# Altium PCB DL4-1BA.PcbDoc (part 3 of 5)
Units mm, origin at the board's own origin, x right, y up, seen from the top; angles counter-clockwise.
Board outline 200 x 80 mm, 4 copper layers (Top Layer, Mid 1 (GND), Mid 2 (PWR), Bottom Layer), stack 1.586 mm thick; 466 components, 326 nets, 1491 pads, 494 vias.
Unrouted connection lines stored in the file: 2.
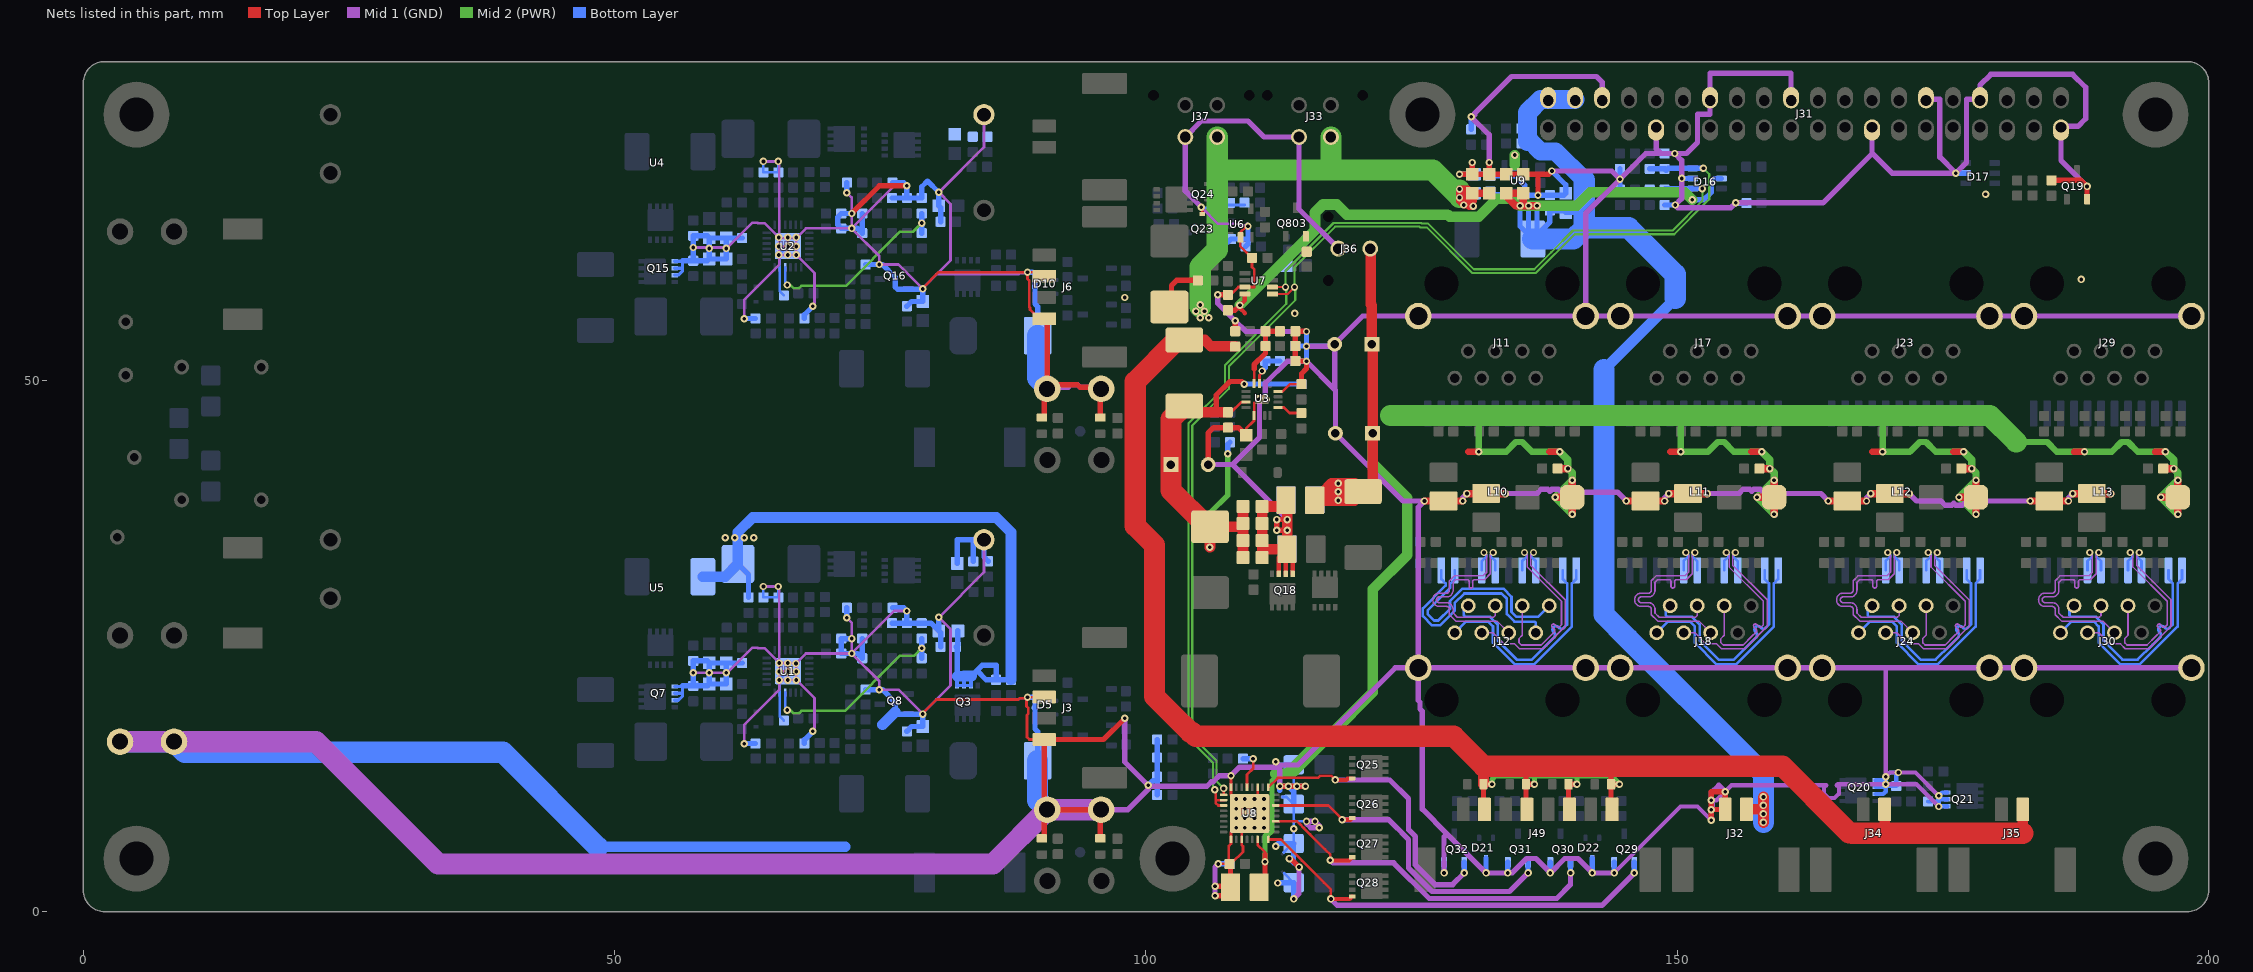
[diagram p5: the nets of this part, all layers, seen from the top]

## Via types
v1: diameter 0.7, hole 0.35, Top Layer to Bottom Layer, tented both sides, 483 vias
v2: diameter 0.7, hole 0.35, Top Layer to Bottom Layer, 11 vias

## Nets (pads, with @x,y where several pads share a name; then routed paths per layer and width w, separated by ;. In a path a pad name is that pad's centre, name@x,y a point inside that pad or via, vN(x,y) a via of type N, cw(c..) or ccw(c..) an arc to the next point about the centre after c; other vN are vias at no path point) (continued)
+5V: C130.1 C139.1 C140.1 C141.1 C142.1 D16.5 J31.2 J31.4 J32.1@156.5,9.625 J42.1 L17.2 R164.1 R166.2 U7.4 | length 180.5
  Top Layer w0.4: J42.1@109.3,56.325 108.837,56.788 v1(108.837,57.063) 109.3,57.525 U7.4@109.3,58.125
  Top Layer w0.5: C130.1@107.7,56.6 108.375,56.6 v1(108.837,57.063)
  Top Layer w0.7: v1(136.8,66.425) v1(136,66.425) v1(135.2,66.425) ; v1(135.2,66.425) 134.775,66.425 133.9,67.3 C140.1@133.9,67.6 C141.1@135.5,67.6 135.5,66.725 v1(135.2,66.425)
  Top Layer w1: J32.1@156.5,9.625 158.1,9.625 ; v1(158.1,8.4) v1(158.1,9.2) 158.1,9.625 ; v1(158.1,10.8) v1(158.1,10) 158.1,9.625
  Mid 2 (PWR) w1: v1(108.837,57.063) 115.9,64.125 115.9,65.8 116.65,66.55 117.95,66.55 118.9,65.6 128.367,65.6 128.567,65.4 131.3,65.4 133,67.1 134.525,67.1 v1(135.2,66.425) v1(136,66.425) v1(136.8,66.425) 140.525,66.425 141.8,67.7 150.7,67.7 v1(151.4,67)
  Bottom Layer w0.25: C139.1@138,65.975 C139.1@138.008,65.968
  Bottom Layer w0.5: C139.1@138,65.975 138,64.9 L17.2@136.8,63.7 ; C139.1@138.008,65.968 139.332,65.968 C142.1@139.5,65.8 140.5,65.8 ; v1(151.4,67) 152.5,67 153.2,67.7 153.2,68.7 153.49,68.99 D16.5@154.15,68.99 ; L17.2@136,63.7 v1(136,66.425) ; L17.2@136,63.7 L17.2@136.4,63.3 L17.2@136.8,63.7 ; L17.2@136,63.7 135.2,64.5 v1(135.2,66.425) v1(136,66.425) ; v1(136,66.425) v1(136.8,66.425) L17.2@136.8,63.7
  Bottom Layer w1: 143.1,51 149.8,57.7
  Bottom Layer w1.7: 135.9,72.5 136.165,72.5 137.115,71.55 138.55,71.55 141.25,68.85
  Bottom Layer w1.8: 135.9,72.5 135.9,75.2 137.14,76.44 J31.4@140.38,76.44
  Bottom Layer w2: L17.2@136.4,63.3 140.2,63.3 141.25,64.35 ; 141.25,68.85 141.25,64.35 ; 143.1,51 143.1,27.96 145.385,25.675 156.5,14.561 158.1,12.961 v1(158.1,10) ; 149.8,57.7 149.8,59.974 145.424,64.35 141.25,64.35 ; v1(158.1,8.4) v1(158.1,9.2) v1(158.1,10) ; v1(158.1,10.8) v1(158.1,10)
+24V: C53.1 C135.1 C136.1 C137.1 C138.1 D23.2 D24.2 D25.2 D26.2 J33.1 J34.1@169.5,9.625 J35.1@182.5,9.625 J37.1 J49.1@143.85,9.625 J49.3 J49.5 J49.7 L7.1 R131.2 R134.1 U9.3 U9.5 | length 242
  Top Layer w0.5: R131.2@102.2,56.9 102.3,56.9 102.4,57 102.4,58.925 102.9,59.425 104.85,59.425 R134.1@104.875,59.4 ; J49.7@131.85,9.625 131.762,9.713 D26.2@131.762,12 v1(132.55,12) ; 135.762,13.7 D25.2@135.762,12 ; J49.5@135.85,9.625 135.762,9.713 D25.2@135.762,12 ; v1(136.55,12) D25.2@135.762,12 ; J49.3@139.85,9.625 139.762,9.713 D24.2@139.762,12 v1(140.55,12) ; 143.762,13.7 D23.2@143.762,12 ; J49.1@143.85,9.625 143.762,9.713 D23.2@143.762,12 ; v1(144.55,12) D23.2@143.762,12
  Top Layer w0.7: C136.1@130.3,67.2 v1(129.5,67.2) ; 130.4,66.4 v1(130.8,66.4) 130.7,66.5 130.7,66.8 ; 130.8,66.9 C136.1@130.8,67.4 ; C136.1@130.8,67.45 C136.1@130.8,67.4 ; C135.1@132.3,67.6 131,67.6 C136.1@130.8,67.4 ; v1(129.5,67.2) 129.5,66.9 v1(129.9,66.5) ; v1(129.5,67.2) v1(129.5,68) 130.3,68 C136.1@130.7,67.6 ; v1(129.5,67.2) 129.9,66.8 v1(129.9,66.5) ; v1(129.5,67.2) 129.9,67.6 C136.1@130.7,67.6 ; v1(129.9,66.5) C136.1@130.7,67.3 ; v1(129.9,66.5) 130.4,66.5 130.7,66.8 ; 130.7,66.8 C136.1@130.7,67.3 ; C136.1@130.7,67.3 C136.1@130.8,67.4 ; C136.1@130.7,67.3 C136.1@130.7,67.6
  Top Layer w1: L7.1@103.6,53.8 105.525,53.8 106.1,53.225 C53.1@108.379,53.225 ; D26.2@131.762,12 131.762,13.7 ; 166.2,7.4 166.434,7.4 ; 168.566,7.4 169.5,7.4 J34.1@169.5,9.625 ; 182.5,7.375 J35.1@182.5,9.625
  Top Layer w2: L7.1@103.6,53.8 102.9,53.8 99,49.9 99,36.303 100.8,34.503 100.8,20.25 103.435,17.614 103.458,17.614 104.17,16.903 104.17,16.899 104.186,16.883 104.296,16.883 104.678,16.5 128.968,16.5 131.768,13.7 ; 131.762,13.7 135.762,13.7 143.762,13.7 159.9,13.7 162.85,10.75 162.85,10.717 163.817,9.75 166.167,7.4 166.2,7.4 ; 166.434,7.4 166.459,7.375 182.5,7.375
  Mid 1 (GND) w0.5: v1(129.5,67.2) 129.5,66.9 v1(129.9,66.5)
  Mid 2 (PWR) w0.5: v1@132.55,12.05 132.55,12.45 132.9,12.8 136.55,12.8 ; v1(136.55,12) 136.55,12.8 ; v1(140.55,12) 140.55,12.8 ; v1(144.55,12) 143.75,12.8 140.55,12.8 ; 136.55,12.8 140.55,12.8
  Mid 2 (PWR) w1: 134.7,70.3 v1(134.7,71.2)
  Mid 2 (PWR) w2: v1@105.1,56.9 v1(105.1,57.1) 105.1,60.7 106.7,62.3 106.7,69.8 ; J37.1@106.7,72.9 106.7,69.8 ; J33.1@117.4,72.9 117.4,69.8 ; v1(129.5,67.2) v1@129.5,67.279 ; v1@129.5,67.9 v1@129.5,67.279 ; 106.7,69.8 117.4,69.8 ; 117.4,69.8 126.979,69.8 129.295,67.484 v1@129.5,67.279
  Bottom Layer w0.381: C137.1@130.9,67.6 130.988,67.687 132.262,67.687 132.4,67.55 U9.3@133.75,67.55
  Bottom Layer w0.5: C137.1@130.348,67.238 129.538,67.238 v1(129.5,67.2) ; v1(134.7,71.2) 134.71,71.19 U9.5@134.71,70.25 ; v1(129.5,67.2) 129.5,66.9 v1(129.9,66.5) ; v1(129.5,67.2) v1(129.5,68) 129.9,67.6 C137.1@130.9,67.6 C137.1@130.863,67.563 ; v1(129.9,66.5) 130.3,66.5 ; v1(129.9,66.5) 129.9,66.7 130.4,67.2 130.4,67.563 C137.1@130.863,67.563 ; 130.3,66.5 130.75,66.95 ; 130.3,66.5 130.7,66.5 v1(130.8,66.4) 130.75,66.45 130.75,66.95 ; 130.75,66.95 130.75,67.45 C137.1@130.863,67.563
  other v1: 105.1,55.9 105.9,55.9 104.7,56.5 105.5,56.5
+24V_filt: C54.1 C55.1 C56.1 C57.1 C58.1 C59.2 L7.2 R69.1 R70.1 R73.1 U3.7 | length 54
  Top Layer w0.25: C59.2@107.7,47 108.02,47 108.97,47.95 U3.7@109.425,47.95
  Top Layer w0.5: L7.2@103.6,47.6 104.1,47.1 106.6,47.1 106.6,48.6 107.9,49.9 109,49.9 v1(109.25,49.65)
  Top Layer w1: L7.2@103.6,47.6 104.2,47 106.6,47 C59.2@107.7,47 ; v1(106,34.3) 106.025,34.325 R69.1@106.025,36.225 108.825,36.225 C56.1@109.125,36.525 ; C55.1@109.125,33.325 C56.1@109.125,36.525 ; C57.1@109.125,38.125 C56.1@109.125,36.525
  Top Layer w2: L7.2@103.6,47.6 102.35,46.35 C58.1@102.35,42.075 102.35,39.65 105.775,36.225 R69.1@106.025,36.225
  Mid 2 (PWR) w0.5: v1(106,34.3) 106,37.5 107.7,39.2 v1(107.7,43.1)
  Bottom Layer w0.5: v1(107.7,43.1) 107.7,43.975 R70.1@107.9,44.175 ; v1(109.25,49.65) R73.1@114.625,49.65
+48V: C62.1 C63.1 C64.1 C72.1 C83.1 C94.1 C105.1 C131.1 C132.1 D12.1 D13.1 D14.1 D15.1 J7.1 J9.1 J13.1 J15.1 J19.1 J21.1 J25.1 J27.1 J36.1 L9.2 U8.22 | length 275.8
  Top Layer w0.25: U8.22@110.5,6.8 110.5,6.3 111.2,5.6
  Top Layer w0.5: C132.1@110.65,2.3 111.2,2.85 v1(111.2,4.7) 111.2,5.4
  Top Layer w0.6: J9.1@130.325,43.285 v1(131.31,43.285) ; J7.1@137.945,43.285 v1(138.93,43.285) ; J15.1@149.325,43.285 v1(150.31,43.285) ; J13.1@156.945,43.285 v1(157.93,43.285) ; J21.1@168.325,43.285 v1(169.31,43.285) ; J19.1@175.945,43.285 v1(176.93,43.285) ; J27.1@187.325,43.285 v1(188.31,43.285) ; J25.1@194.945,43.285 v1(195.93,43.285)
  Top Layer w0.7: v1(138.5,39) D12.1@140.1,39 ; C72.1@138.725,41.7 v1(139.7,41.7) ; v1(140.1,37.4) D12.1@140.1,39 ; v1(140.1,40.6) D12.1@140.1,39 ; v1(157.5,39) D13.1@159.1,39 ; C83.1@157.725,41.7 v1(158.7,41.7) ; v1(159.1,37.4) D13.1@159.1,39 ; v1(159.1,40.6) D13.1@159.1,39 ; v1(176.5,39) D14.1@178.1,39 ; C94.1@176.725,41.7 v1(177.7,41.7) ; v1(178.1,37.4) D14.1@178.1,39 ; v1(178.1,40.6) D14.1@178.1,39 ; v1(195.5,39) D15.1@197.1,39 ; C105.1@195.725,41.7 v1(196.7,41.7) ; v1(197.1,37.4) D15.1@197.1,39 ; v1(197.1,40.6) D15.1@197.1,39
  Top Layer w1: J36.1@121.1,62.4 121.14,62.36 121.14,57.16 121.25,57.05 C131.1@121.25,53.4 121.325,53.325 C64.1@121.325,45.025 121.325,40.425 L9.2@120.425,39.525 ; C62.1@116.675,39.525 v1(118.1,39.525) L9.2@120.425,39.525 ; C62.1@116.675,39.525 117.45,40.3 v1(118.1,40.3) 119.65,40.3 L9.2@120.425,39.525 ; C62.1@116.675,39.525 C62.1@115.875,38.725 115.9,38.7 v1(118.1,38.7) 119.6,38.7 L9.2@120.425,39.525
  Mid 2 (PWR) w0.5: v1(111.2,4.7) 111.2,7.15 111.411,7.15 111.85,7.589 111.85,7.789 111.85,12.311 112.289,12.75 112.693,12.75 112.943,13 116.755,16.813 117.513,16.813
  Mid 2 (PWR) w0.6: 131.31,46.7 v1(131.31,43.285) 133.885,43.285 134.8,44.2 135.4,44.2 136.315,43.285 v1(138.93,43.285) ; 150.31,46.7 v1(150.31,43.285) 152.885,43.285 153.8,44.2 154.4,44.2 155.315,43.285 v1(157.93,43.285) ; 169.303,46.797 169.31,46.79 v1(169.31,43.285) 171.885,43.285 172.8,44.2 173.4,44.2 174.315,43.285 v1(176.93,43.285) ; 181.9,44.2 184.8,44.2 185.715,43.285 v1(188.31,43.285) 190.885,43.285 191.8,44.2 192.4,44.2 193.315,43.285 v1(195.93,43.285)
  Mid 2 (PWR) w0.7: v1(138.93,43.285) 139.7,42.515 v1(139.7,41.7) 140.1,41.3 v1(140.1,40.6) v1(138.5,39) v1(140.1,37.4) ; v1(157.93,43.285) 158.7,42.515 v1(158.7,41.7) 159.1,41.3 v1(159.1,40.6) v1(157.5,39) v1(159.1,37.4) ; v1(176.93,43.285) 177.7,42.515 v1(177.7,41.7) 178.1,41.3 v1(178.1,40.6) v1(176.5,39) v1(178.1,37.4) ; v1(195.93,43.285) 196.7,42.515 v1(196.7,41.7) 197.1,41.3 v1(197.1,40.6) v1(195.5,39) v1(197.1,37.4)
  Mid 2 (PWR) w1: 112.186,13 112.943,13 113.7,13 117.513,16.813 121.35,20.65 121.35,30.35 124.6,33.6 124.6,38.9 121.325,42.175 C64.1@121.325,45.025
  Mid 2 (PWR) w2: 123,46.7 131.31,46.7 150.31,46.7 179.4,46.7 181.9,44.2
  Bottom Layer w1: 117.712,39.912 116.525,38.725 C63.1@115.875,38.725 115.9,38.7 v1(118.1,38.7) v1(118.1,39.525) v1(118.1,40.3)
"ACSET_Charger Lower": R31.2 R34.1 U1.16 | length 18.9
  Mid 2 (PWR) w0.25: v1(66.239,18.975) 66.361,18.975 66.436,18.9 66.615,18.9 66.84,18.675 67.358,18.675 67.583,18.9 71.6,18.9 71.666,18.9 76.866,24.1 78.199,24.1 v1(78.899,24.8)
  Bottom Layer w0.25: U1.16@66.05,20.627 66.05,19.149 66.199,19 66.239,19 v1(66.239,18.975)
  Bottom Layer w0.5: R31.2@78.899,23.852 v1(78.899,24.8) R34.1@78.899,25.702
"ACSET_Charger Upper": R65.2 R68.1 U2.16 | length 18.9
  Mid 2 (PWR) w0.25: v1(66.239,58.975) 66.361,58.975 66.436,58.9 66.615,58.9 66.84,58.675 67.358,58.675 67.583,58.9 71.698,58.9 71.766,58.9 76.866,64 78.099,64 v1(78.899,64.8)
  Bottom Layer w0.25: U2.16@66.05,60.627 66.05,59.149 66.199,59 66.239,59 v1(66.239,58.975)
  Bottom Layer w0.5: R65.2@78.899,63.852 v1(78.899,64.8) R68.1@78.899,65.702
CLS5: R147.2 U8.5 | length 3.9
  Top Layer w0.25: U8.5@109.5,11.7 109.5,12.9 110.1,13.5 110.1,14.375 v1(110.075,14.4)
  Bottom Layer w0.5: R147.2@109.125,14.4 v1(110.075,14.4)
COMP: C69.1 R76.1 U3.3 | length 3.7
  Top Layer w0.25: U3.3@110.675,49.7 110.675,50.5 110.925,50.75 v1(110.925,50.884)
  Bottom Layer w0.5: v1(110.925,50.884) 111.225,51.184 R76.1@111.225,51.825 C69.1@112.6,51.825
FB: C67.2 R78.2 R80.1 U3.4 | length 6.7
  Top Layer w0.25: U3.4@110.175,49.7 110.175,51.1
  Top Layer w0.5: 110.175,51.1 110.175,51.475 111.25,52.55 C67.2@111.25,53.225 R78.2@111.25,54.625 R80.1@112.6,54.625
Gate1: Q25.G Q32.1@129.95,4.65 U8.1@111.5,11.7 | length 29.5
  Top Layer w0.25: U8.1@111.5,11.7 112.4,12.6 116.2,12.6 116.4,12.8 117.4,12.8 v1(117.8,12.4)
  Top Layer w0.4: v1(117.8,12.4) 118.84,12.4 118.965,12.525 Q25.G@119.4,12.525
  Mid 1 (GND) w0.5: v1(117.8,12.4) 122.939,12.4 124.7,10.639 124.7,7.719 125.35,7.069 125.35,4.388 127.188,2.55 128.85,2.55 v1(129.95,3.65)
  Bottom Layer w0.5: v1(129.95,3.65) Q32.1@129.95,4.65
Gate2: Q26.G Q31.1@135.95,4.65 U8.30 | length 32.2
  Top Layer w0.25: U8.30@112.2,10 117.168,10 117.859,9.309 118.225,8.943 118.225,8.875 v1@118.449,8.651
  Top Layer w0.4: Q26.G@119.4,8.825 Q26.G@119.218,8.643 ; Q26.G@119.218,8.643 v1(118.449,8.643) Q26.G@119.218,8.643
  Mid 1 (GND) w0.5: v1(118.449,8.643) 122.857,8.643 123.675,7.825 123.686,7.825 124.125,7.386 124.125,7.375 124.7,6.8 124.7,4.119 126.919,1.9 134.2,1.9 v1(135.95,3.65)
  Bottom Layer w0.5: v1(135.95,3.65) Q31.1@135.95,4.65
Gate3: Q27.G Q30.1@139.95,4.65 U8.27 | length 35.9
  Top Layer w0.25: U8.27@112.2,8.5 114.225,8.5 114.475,8.25 114.475,8.241 114.841,7.875 114.85,7.875 114.875,7.85 115.45,7.275 116.852,5.873 117.35,5.375 v1(117.35,4.856)
  Top Layer w0.4: v1(117.35,4.856) 117.381,4.825 119.1,4.825 Q27.G@119.4,5.125
  Mid 1 (GND) w0.5: v1(117.35,4.856) 117.606,4.6 123.3,4.6 126.65,1.25 138.65,1.25 139.95,2.55 v1(139.95,3.65)
  Bottom Layer w0.5: v1(139.95,3.65) Q30.1@139.95,4.65
Gate4: Q28.G Q29.1@145.95,4.65 U8.24 | length 41.9
  Top Layer w0.25: U8.24@111.5,6.8 112.1,6.8 112.684,6.8 113.859,5.625 114.659,4.825 116.746,2.738 117.4,2.084 v1(117.4,1.2)
  Top Layer w0.4: v1(117.4,1.2) 119.175,1.2 Q28.G@119.4,1.425
  Mid 1 (GND) w0.5: v1(117.4,1.2) 118,0.6 142.9,0.6 v1(145.95,3.65)
  Bottom Layer w0.5: v1(145.95,3.65) Q29.1@145.95,4.65
GND: C1.2 C2.2 C5.2 C6.2 C7.2 C8.2 C10.2 C11.1 C14.2 C15.2 C16.2 C17.2 C18.2 C20.1 C21.2 C22.2 C23.2 C24.2 C25.2 C26.2 C53.2 C54.2 C55.2 C56.2 C57.2 C58.2 C59.1 C60.2 C61.2 C62.2 C63.2 C64.2 C68.2 C69.2 C70.2 C71.2 C81.2 C82.2 C92.2 C93.2 C103.2 C104.2 C114.2 C115.2 C116.2 C117.2 C118.2 C119.2 C120.2 C121.2 C122.2 C125.2 C126.2 C129.2 C130.2 C131.2 C132.2 C133.2 C135.2 C136.2 C137.2 C138.2 C139.2 C140.2 C141.2 C142.2 C804.2 D2.2 D3.1 D4.1 D5.3 D16.2 D17.2 D20.2 D21.3 D22.3 J2.1 J3.2 J3.4 J11.9 J12.9 J17.9 J18.9 J23.9 J24.9 J29.9 J30.9 J31.6 J31.9 J31.14 J31.20 J31.25 J31.30 J31.34 J31.39 J32.2 J33.2 J36.2 J37.2 J40.1 J47.2 J48.2 J50.2 J51.2 Q7.S Q8.2 Q18.S Q19.2 Q20.S Q21.S Q23.2 Q24.2 Q29.2 Q30.2 Q31.2 Q32.2 Q803.2 R26.2 R27.2 R28.2 R32.2 R33.2 R34.2 R75.2 R79.2 R80.2 R121.2 R130.2 R139.2 R141.2 R142.2 R144.2 R146.2 R148.2 R149.2 R150.2 R151.2 R152.2 R153.2 R154.2 R155.2 R165.1 R816.2 U1.17 U1.EP U3.9 U3.16 U3.EP U5.4 U6.2 U7.3 U8.3 U8.8 U8.17 U8.19 U8.EP U9.1@135.65,67.55 | length 1267.1
  Top Layer w0.25: v1(79,18.6) 79,18.701 80.274,19.975 87.998,19.975 88.123,20.1 v1@88.773,20.1 ; J3.4@90.429,16.2 89.028,16.2 88.799,16.429 88.799,18.516 88.924,18.641 88.924,19.159 88.758,19.325 88.758,19.532 88.762,19.536 88.762,20.089 v1@88.773,20.1 ; J3.2@90.429,20.2 90.404,20.175 v1(88.848,20.175) v1@88.773,20.1 ; v1(105.2,66.3) 105.3,66.2 D20.2@105.3,65.65 ; v1(106.8,4.5) C133.2@107.875,4.5 108.05,4.675 107.8,4.925 107.8,6.2 108,6.4 U8.17@108,6.8 108,7.5 U8.EP@108.5,8 ; C130.2@107.7,58.05 107.95,58.05 108.692,58.792 110.2,58.792 110.2,60.425 109.975,60.65 R141.2@109.975,61.525 108.86,62.64 108.86,63.41 U6.2@108.9,63.45 108.9,63.963 109.437,64.5 v1(109.6,64.5) ; v1(108,12.8) 108,11 108.4,10.6 v1(108.5,10.6) 108.5,10.5 v1(109.3,9.7) U8.EP@109.75,9.25 ; C133.2@108.104,4.621 109.125,5.641 109.125,6.159 109,6.284 U8.19@109,6.8 109,7.6 109.06,7.66 v1(109.3,7.9) ; v1(108.5,7.9) U8.EP@108.5,8 ; C68.2@109.425,44.825 109.425,45.45 110.175,46.2 110.175,47.875 110.5,48.2 U3.EP@110.925,48.2 v2(110.6,48.2) ; U8.3@110.5,11.7 110.5,10 v1(110.2,9.7) U8.EP@109.75,9.25 ; U3.16@112.425,48.95 112.841,48.95 113.541,49.65 R75.2@114.625,49.65 ; U8.EP@108.5,8 U8.EP@109,8.5 ; U8.EP@109,8.5 v1(109.3,8.8) ; U8.EP@109,8.5 109,8.2 v1(109.3,7.9) ; v1(109.3,7.9) v1(109.3,8.8) ; v1(109.3,8.8) U8.EP@109.75,9.25
  Top Layer w0.4: Q18.S@112.5,31.785 112.5,33.35 C60.2@113.15,34 ; Q18.S@113.15,31.785 C60.2@113.15,34 ; Q18.S@113.8,31.785 113.8,33.6 C60.2@113.275,34.125 C60.2@113.15,34
  Top Layer w0.5: D3.1@90.199,6.9 90.288,6.9 90.432,7.044 90.432,9.332 J2.1@90.7,9.6 ; D4.1@95.699,6.9 95.699,9.519 J2.1@95.78,9.6 J2.1@90.7,9.6 ; v1(98,18.2) 96,16.2 J3.4@90.429,16.2 90.429,9.871 J2.1@90.7,9.6 ; C58.2@105.85,42.075 105.85,45.05 106.35,45.55 C59.1@107.7,45.55 108.7,45.55 C68.2@109.425,44.825 ; v1(106.5,1.5) 107.3,1.5 107.95,2.15 C132.2@107.95,2.3 107.85,2.4 v1(106.5,2.4) ; v1(106.75,58.05) C130.2@107.7,58.05 ; C133.2@107.875,4.5 C133.2@107.95,4.425 ; C132.2@107.95,2.3 C133.2@107.949,4.424 ; C53.2@108.4,54.625 v1(108.4,55.6) ; v1(112.6,11.8) v1(113.4,11.8) v1(114.2,11.8) v1(115,11.8) ; v1(113.3,35.9) v1(112.3,35.9) v1(112.3,36.9) v1(113.3,36.9) ; v1(113.5,5) 113.6,5 v1(114.4,4.2) ; R75.2@114.625,49.65 114.625,50.625 115.1,51.1 v1(115.1,51.8) 115.075,51.825 R79.2@114.05,51.825 R80.2@114.05,54.625 115.075,54.625 v1(115.1,54.6) ; v1(129.5,69.4) C136.2@130.7,69.4 ; v1(130.7,70.5) C136.2@130.7,69.4 ; v1(132.3,70.5) C135.2@132.3,69.4 ; v1(136.887,67.425) 136.887,69.4 ; v1(138.2,69.7) 137.9,69.4 136.887,69.4 ; v1(153.2,8.6) 153.3,8.7 153.2,8.8 v1(153.2,9.6) 153.3,9.7 153.2,9.8 v1(153.2,10.5) 153.2,11.3 v1(154.5,11.3) J32.2@154.5,9.625 v1@153.225,9.625 ; R121.2@185.2,68.825 187.975,68.825 v1(188.55,68.25) Q19.2@188.55,67.05 ; C136.2@130.7,69.4 C135.2@132.3,69.4 ; C135.2@132.3,69.4 C141.2@135.5,69.4 136.887,69.4
  Top Layer w0.7: v1(126.2,38.65) v1(129.8,38.65) ; v1(130.2,39.35) v1(133.8,39.35) ; v1(145.2,38.65) C93.2@147,38.65 v1(148.8,38.65) ; v1(149.2,39.35) v1(152.8,39.35) ; v1(164.2,38.65) C104.2@166,38.65 v1(167.8,38.65) ; v1(168.2,39.35) v1(171.8,39.35) ; v1(183.2,38.65) C115.2@185,38.65 v1(186.8,38.65) ; v1(187.2,39.35) v1(190.8,39.35)
  Top Layer w1: C55.2@110.925,33.325 C54.2@110.925,34.325 ; C60.2@113.275,34.125 111.125,34.125 C54.2@110.925,34.325 ; C60.2@113.3,34.15 v1(113.3,35.9) v1(113.3,36.9) 113.3,38.6 C62.2@113.175,38.725 112.575,38.125 C57.2@110.925,38.125 C56.2@110.925,36.525 C54.2@110.925,34.325
  Mid 1 (GND) w0.25: v1(57.4,22.5) 60.615,22.5 62.94,24.825 63.458,24.825 63.483,24.8 64.099,24.8 v1(65.499,23.4) ; v1(62.2,15.8) 62.2,17.6 65.499,20.899 v1(65.499,21.8) ; v1(63.999,30.6) 65.299,30.6 v1@65.399,30.7 ; v1@65.499,30.6 v1(65.499,23.4) ; v1(68.65,16.975) 68.775,16.975 68.8,17 68.8,20.099 v1(67.099,21.8) ; v1(71.85,27.65) 72.299,27.201 v1(72.299,25.7) v1(72.3,24.3) ; v1(77.5,28.3) 76.3,28.3 v1(72.3,24.3) ; U5.4@84.75,35 84.75,31.95 v1(80.5,27.7) 81.6,26.6 81.6,21.301 80.274,19.975 ; v1(88.848,20.175) 88.773,20.1 88.123,20.1 87.998,19.975 80.274,19.975 ; v1(105.2,66.3) 106.775,64.725 108.791,64.725 108.941,64.575 109.35,64.575 109.5,64.725 109.6,64.625 v1(109.6,64.5) ; v1(65.499,21.8) v1(65.499,22.6) ; v1(65.499,21.8) v1(66.299,21.8) ; v1(65.499,22.6) v1(66.299,22.6) ; v1(65.499,22.6) v1(65.499,23.4) ; v1(65.499,23.4) v1(66.299,23.4) ; v1(66.299,21.8) v1(66.299,22.6) ; v1(66.299,21.8) v1(67.099,21.8) ; v1(66.299,22.6) v1(67.099,22.6) ; v1(66.299,22.6) v1(66.299,23.4) ; v1(66.299,23.4) 67.015,23.4 v1(67.057,23.358) ; v1(67.057,23.358) 67.099,23.316 v1(67.099,22.6) ; v1(67.057,23.358) 67.999,24.3 v1(72.3,24.3) ; v1(67.099,21.8) v1(67.099,22.6) ; v1(72.3,24.3) 74.899,21.701 v1(74.899,20.9) 76.7,20.9 v1(79,18.6) 79,18.701 80.274,19.975
  Mid 1 (GND) w0.4: v1(144.05,3.65) 150.3,9.9 151.9,9.9 v1(153.2,8.6) ; v1@153.3,10.5 153.7,10.5 v1(154.5,11.3) 155.1,11.9 164.01,11.9 163.8,11.69 163.8,11.11 164.21,10.7 164.79,10.7 165.2,11.11 165.2,11.69 164.99,11.9 165.09,12 v1(169.6,12) 172.5,12 v1(174.6,9.9) ; 169.7,22.95 169.6,22.85 v1(169.6,12.7) 170,13.1 v1(170.8,13.1) 172.4,13.1 v1(174.6,10.9)
  Mid 1 (GND) w0.5: J2.1@95.78,9.6 98.3,9.6 100.2,11.5 v1(100.2,11.9) ; v1(98,18.2) 98,14.1 v1(100.2,11.9) ; v1(105.2,66.3) 103.7,67.8 J37.2@103.7,72.9 105.2,74.4 109.6,74.4 111.1,72.9 J33.2@114.4,72.9 114.4,66.1 J36.2@118.1,62.4 ; C58.2@105.85,42.075 108.125,42.075 ; v1(106.5,1.5) v1(106.5,2.4) 106.5,4.2 v1(106.8,4.5) ; v1(106.75,58.05) 106.75,57.25 v1(108.4,55.6) 109.4,54.6 v1(115.1,54.6) ; v2(110.6,48.2) 110.675,48.125 110.675,44.624 108.125,42.075 ; v2(111.3,48.2) 111.225,48.275 111.225,49.725 113.3,51.8 v1(115.1,51.8) 117.75,49.15 ; v1(113.3,36.9) 108.125,42.075 ; v1(113.9,1.2) 114.4,1.7 v1(114.4,4.2) ; v1(115,11.8) v1(114.2,11.8) v1(113.4,11.8) v1(112.6,11.8) 112.6,13.7 112.5,13.8 ; v1(115.1,53.2) 117.55,53.2 C131.2@117.75,53.4 ; v1(128.05,3.65) 128.05,7.05 128.325,7.325 ; v1(129.8,38.65) 129.8,38.95 v1(130.2,39.35) v1(133.8,39.35) 136.789,39.35 137.189,39.75 137.811,39.75 138,39.561 138.189,39.75 138.811,39.75 139.08,39.48 144.37,39.48 v1(145.2,38.65) v1(148.8,38.65) 148.8,38.95 v1(149.2,39.35) v1(152.8,39.35) 155.789,39.35 156.189,39.75 156.811,39.75 157,39.561 157.189,39.75 157.811,39.75 158.211,39.35 163.5,39.35 v1(164.2,38.65) v1(167.8,38.65) 167.8,38.95 v1(168.2,39.35) v1(171.8,39.35) 172.5,38.65 174.789,38.65 175.189,38.25 175.811,38.25 176,38.439 176.189,38.25 176.811,38.25 177.211,38.65 v1(183.2,38.65) ; v1(132.3,70.5) 132.3,73.1 v1(130.6,74.8) 130.746,74.8 130.924,74.978 130.924,75.124 134.4,78.6 142.4,78.6 142.92,78.08 J31.6@142.92,76.44 ; v1(138.2,69.7) 143.825,69.7 v1(144.6,68.925) ; v1(144.05,3.65) v1(142,3.65) 140.65,5 139.4,5 v1(138.05,3.65) 136.7,5 135.8,5 134.45,3.65 v1(134.05,3.65) v1(132,3.65) 128.325,7.325 ; J31.9@148,73.9 148,71.8 148.45,71.35 ; v1(153.2,8.6) 153.3,8.7 153.2,8.8 v1(153.2,9.6) 153.3,9.7 153.3,10.5 v1(153.2,10.5) 153.2,11.2 153.9,11.9 v1(154.5,11.3) ; J31.20@160.7,76.44 160.7,78.9 153.1,78.9 153.08,78.88 153.08,75.08 153.05,75.05 151.9,75.05 151.9,72.4 150.85,71.35 v1(149.75,71.35) ; J31.25@168.32,73.9 168.32,71.38 ; J31.30@173.4,76.44 174.7,76.44 174.7,71 v1(176.2,69.5) ; v1(186.8,38.65) 186.8,38.95 v1(187.2,39.35) v1(190.8,39.35) ; v1(188.55,68.25) 186.1,70.7 186.1,73.9 187.7,73.9 188.415,74.615 188.415,77.585 187.2,78.8 179.5,78.8 178.48,77.78 178.48,76.44 177.24,76.44 177.2,76.4 177.2,70.5 v1(176.2,69.5) ; J30.9@198.375,22.95 J30.9@182.625,22.95 J24.9@179.375,22.95 169.7,22.95 J24.9@163.625,22.95 J18.9@160.375,22.95 J18.9@144.625,22.95 J12.9@141.375,22.95 J12.9@125.625,22.95 ; J29.9@198.375,56.05 J29.9@182.625,56.05 J23.9@179.375,56.05 J23.9@163.625,56.05 J17.9@160.375,56.05 J17.9@144.625,56.05 J11.9@141.375,56.05 ; v1(100.2,11.9) 100.3,11.8 105.718,11.8 106.148,12.23 106.33,12.23 106.9,12.8 v1(108,12.8) 108.8,13.6 112.2,13.6 v1(112.2,14.1) 112.5,13.8 ; 112.5,13.8 114.3,13.8 123.45,22.95 J12.9@125.625,22.95 ; 117.75,49.15 117.825,49.075 C64.2@117.825,45.025 124.2,38.65 v1(126.2,38.65) 125.625,38.075 J12.9@125.625,22.95 ; 117.75,49.15 C131.2@117.75,53.4 ; C131.2@117.75,53.4 120.4,56.05 J11.9@125.625,56.05 J11.9@141.375,56.05 ; J12.9@125.625,22.95 125.625,19.875 125.785,19.715 125.785,19.072 126,18.857 126,9.65 128.325,7.325 ; J11.9@141.375,56.05 141.375,65.7 v1(144.6,68.925) ; v1(144.6,68.925) 147.025,71.35 148.45,71.35 ; 148.45,71.35 v1(149.75,71.35) ; v1(149.75,71.35) 150.4,70.7 v1(150.4,69) 150.4,67.1 v1(149.8,66.5) 150.05,66.25 155.05,66.25 v1(155.5,66.7) 163.7,66.7 168.32,71.32 168.32,71.38 ; 168.32,71.38 170.2,69.5 v1(176.2,69.5) ; v1@115.1,8.3 115.5,7.9 v1(116.3,7.9) 116.3,8.1 v1(115.9,8.5) v1(115.1,8.5) v1@115.1,8.3